# Altium PCB NG2094.PcbDoc (part 1 of 3) (continued)
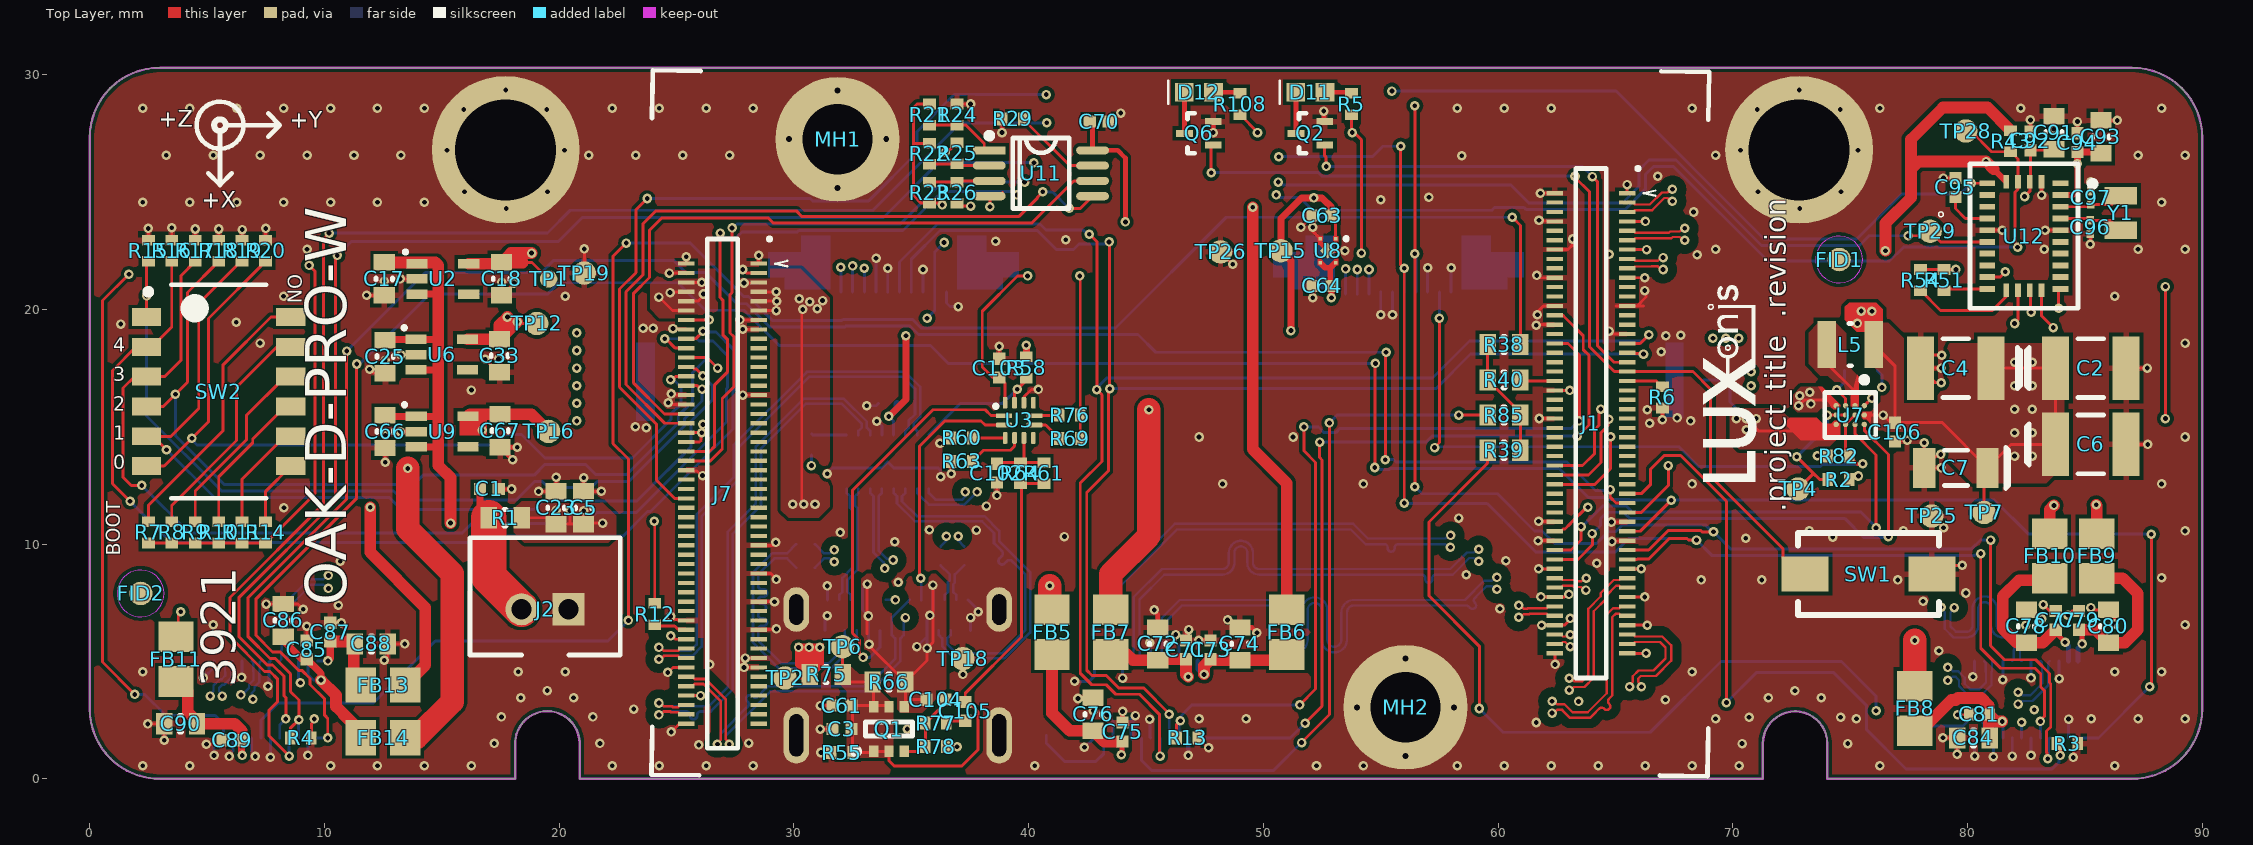
[diagram p0: Top Layer view]
## Classes and differential pairs
net class Poly_Direct: LED_FLD_1 LED_FLD_2 NetL5_2
net class IMU: BNO08x_BOOTN_1V8 BNO08x_CIPO_1V8 BNO08x_COPI_1V8 BNO08x_CS_1V8 BNO08x_INT_1V8 BNO08x_RSTn_1V8 BNO08x_SCK_1V8 BNO08x_WAKE_1V8 ENV_SCL ENV_SDA
net class ConnB: BNO08x_BOOTN_1V8 BNO08x_RSTn_1V8 BNO08x_WAKE_1V8 Boot0 Boot1 Boot2 Boot3 Boot4 GPIO58 I2C0_SCL I2C0_SDA
net class ConnA: 2485_PGOOD 2485_WAKEUP BNO08x_CIPO_1V8 BNO08x_COPI_1V8 BNO08x_CS_1V8 BNO08x_INT_1V8 BNO08x_SCK_1V8 CAM_A_CLK CAM_A_PWDN_N CAM_B_CLK CAM_B_D_PWM CAM_B_PWDN_N COM_AUX_IO2 I2C1_SCL I2C1_SDA I2C2_SCL I2C2_SDA I2C3_SCL I2C3_SDA MX_RST_1V8
differential pair class 90ohm: SSRX1 SSRX1' SSTX1 USB_D
net class USB_SOM: SSRX1_N SSRX1_P SSTX1_N SSTX1_P USB_D_N USB_D_P
component class NG2094_IR_Dot_Projector: J6 J8
component class NG2094_Connector_A: D11 D12 J1 MH1 MH2 Q2 Q6 R5 R6 R108 SW1
net class USB: RXB_N RXB_P RXC_N RXC_P SSRX1_N SSRX1_P SSTX1_N SSTX1_P TXB1_N TXB1_P TXB_N TXB_P TXC1_N TXC1_P TXC_N TXC_P USB_D_N USB_D_P
net class MIPI_CAM_C: MIPI_RX3_C_N MIPI_RX3_C_P MIPI_RX3_D0_N MIPI_RX3_D0_P MIPI_RX3_D1_N MIPI_RX3_D1_P
net class MIPI_CAM_B: MIPI_RX2_C_N MIPI_RX2_C_P MIPI_RX2_D0_N MIPI_RX2_D0_P MIPI_RX2_D1_N MIPI_RX2_D1_P
component class NG2094_IR_Flood: C2 C4 C6 C7 C106 C107 D2 D4 L5 R2 R82 TP4 U7
component class U_NG2094_USB: C3 C61 C62 C98 C99 C100 C101 C102 C103 C104 C105 J10 Q1 R55 R56 R58 R60 R61 R63 R64 R66 R69 R76 R77 R78 TP6 U3 U5
component class U_NG2094_IMU: C91 C92 C93 C94 C95 C96 C97 R43 R51 R54 TP28 TP29 U12 Y1
component class U_NG2094_LEFT_OV9282: C85 C86 C87 C88 C89 C90 FB11 FB13 FB14 J4 R4 R38 R39 R40 R85 TP35
component class U_NG2094_Power_Supply: C C1 C5 C17 C18 C23 C25 C33 C63 C64 C66 C67 J2 R1 R75 TP1 TP7 TP12 TP15 TP16 TP18 TP19 TP25 TP26 U2 U6 U8 U9
component class U_NG2094_EEPROM: C70 R21 R22 R23 R24 R25 R26 R29 U11
differential pair class 100ohm: MIPI_RX2_C MIPI_RX2_D0 MIPI_RX2_D1 MIPI_RX3_C MIPI_RX3_D0 MIPI_RX3_D1 MIPI_RX4_C MIPI_RX4_D0 MIPI_RX4_D1 MIPI_RX5_D0 MIPI_RX5_D1
net class MIPI_CAM_A: MIPI_RX4_C_N MIPI_RX4_C_P MIPI_RX4_D0_N MIPI_RX4_D0_P MIPI_RX4_D1_N MIPI_RX4_D1_P
component class U_NG2094_RIGHT_OV9282: C77 C78 C79 C80 C81 C84 FB8 FB9 FB10 J3 R3 TP39
component class U_NG2094_OV9782: C71 C72 C73 C74 C75 C76 FB5 FB6 FB7 J5 R13 TP3
differential pair class USB3: RXB RXC SSRX1 SSTX1 TXB TXB1 TXC TXC1 USB_D USB_RX USB_TX USB_TX1
net class POWER: 1V2 1V2_C 1V2_L 1V2_R 1V8 1V8_C 1V8_L 1V8_R 2V8 2V8_C 2V8_L 2V8_R 3V3 5V VBUS VBUSIN
component class NG2094_Connector_B: J7 R7 R8 R9 R10 R11 R12 R14 R15 R16 R17 R18 R19 R20 SW2 TP2
component class TopLevel: FID1 FID2 FID3 FID4
differential pair SSTX1: +SSTX1_P -SSTX1_N
differential pair SSRX1: +SSRX1_P -SSRX1_N
differential pair MIPI_RX3_D1: +MIPI_RX3_D1_P -MIPI_RX3_D1_N
differential pair MIPI_RX3_D0: +MIPI_RX3_D0_P -MIPI_RX3_D0_N
differential pair MIPI_RX3_C: +MIPI_RX3_C_P -MIPI_RX3_C_N
differential pair MIPI_RX2_D1: +MIPI_RX2_D1_P -MIPI_RX2_D1_N
differential pair MIPI_RX2_D0: +MIPI_RX2_D0_P -MIPI_RX2_D0_N
differential pair MIPI_RX2_C: +MIPI_RX2_C_P -MIPI_RX2_C_N
differential pair TXC: +TXB_P -TXB_N
differential pair TXC1: +TXB1_P -TXB1_N
differential pair TXB: +TXC_P -TXC_N
differential pair TXB1: +TXC1_P -TXC1_N
differential pair RXC: +RXC_P -RXC_N
differential pair RXB: +RXB_P -RXB_N
differential pair USB_D: +USB_D_P -USB_D_N
differential pair MIPI_RX4_D1: +MIPI_RX4_D1_P -MIPI_RX4_D1_N
differential pair MIPI_RX4_D0: +MIPI_RX4_D0_P -MIPI_RX4_D0_N
differential pair MIPI_RX4_C: +MIPI_RX4_C_P -MIPI_RX4_C_N

## Components (designator, comment, footprint, x,y, rotation, side; value= is the part's Value field where it differs from the comment)
C1 "1uF 0402" CAPC0402(1005)70_L 17.025,12.35 r180 top
C2 "150uF 1206 10V tantal" RESTL1210(3225)_N 85.25,17.5 r0 top
C3 "10uF 0402" CAPC0402(1005)70_L 32.05,2.125 r0 top
C4 "150uF 1206 10V tantal" RESTL1210(3225)_N 79.5,17.5 r180 top
C5 "22uF 0603" CAPC0603(1608)100_L 21.044,11.55 r270 top
C6 "150uF 1206 10V tantal" RESTL1210(3225)_N 85.25,14.25 r0 top
C7 "100uF 1206 6V3 tantal" RESTL1206(3216)_L 79.5,13.25 r180 top
C17 "10uF 0603" CAPC0603(1608)100_L 12.55,21.3 r90 top
C18 "10uF 0603" CAPC0603(1608)100_L 17.55,21.3 r90 top
C23 "22uF 0603" CAPC0603(1608)100_L 19.87,11.547 r270 top
C25 "10uF 0603" CAPC0603(1608)100_L 12.589,17.989 r90 top
C33 "10uF 0603" CAPC0603(1608)100_L 17.464,18.025 r90 top
C61 "10uF 0402" CAPC0402(1005)70_L 32.05,3.125 r0 top
C62 "10uF 0402" CAPC0402(1005)70_L 34,16 r0 bottom
C63 "10uF 0402" CAPC0402(1005)70_L 52.5,24 r0 top
C64 "1uF 0402" CAPC0402(1005)70_L 52.5,21 r0 top
C66 "10uF 0603" CAPC0603(1608)100_L 12.589,14.796 r90 top
C67 "10uF 0603" CAPC0603(1608)100_L 17.487,14.831 r90 top
C70 "0.1uF 0402" CAPC0402(1005)70_L 43,28 r180 top
C71 "0.1uF 0402" CAPC0402(1005)70_L 46.7,5.5 r270 top
C72 "10uF 0603" CAPC0603(1608)100_L 45.5,5.75 r270 top
C73 "0.1uF 0402" CAPC0402(1005)70_L 47.75,5.5 r270 top
C74 "10uF 0603" CAPC0603(1608)100_L 49,5.75 r270 top
C75 "0.1uF 0402" CAPC0402(1005)70_L 44,2 r270 top
C76 "10uF 0603" CAPC0603(1608)100_L 42.75,2.75 r270 top
C77 "0.1uF 0402" CAPC0402(1005)70_L 83.75,6.75 r270 top
C78 "10uF 0603" CAPC0603(1608)100_L 82.5,6.5 r270 top
C79 "0.1uF 0402" CAPC0402(1005)70_L 84.75,6.75 r270 top
C80 "10uF 0603" CAPC0603(1608)100_L 86,6.5 r270 top
C81 "0.1uF 0402" CAPC0402(1005)70_L 80.5,2.75 r0 top
C84 "10uF 0603" CAPC0603(1608)100_L 80.25,1.75 r0 top
C85 "0.1uF 0402" CAPC0402(1005)70_L 9.25,5.5 r270 top
C86 "10uF 0603" CAPC0603(1608)100_L 8.25,6.75 r270 top
C87 "0.1uF 0402" CAPC0402(1005)70_L 10.25,6.25 r270 top
C88 "10uF 0603" CAPC0603(1608)100_L 12,5.75 r180 top
C89 "0.1uF 0402" CAPC0402(1005)70_L 6.075,1.65 r0 top
C90 "10uF 0603" CAPC0603(1608)100_L 3.875,2.35 r0 top
C91 "10uF 0603" CAPC0603(1608)100_L 83.673,27.529 r270 top
C92 "0.1uF 0402" CAPC0402(1005)70_L 82.673,27.179 r270 top
C93 "10uF 0603" CAPC0603(1608)100_L 85.675,27.35 r270 top
C94 "0.1uF 0402" CAPC0402(1005)70_L 84.675,27.1 r270 top
C95 "0.1uF 0402" CAPC0402(1005)70_L 79.48,25.194 r90 top
C96 "18pF 0201" CAPC0201(0603)33_L 85.228,23.51 r90 top
C97 "18pF 0201" CAPC0201(0603)33_L 85.235,24.75 r270 top
C98 "0.1uF 0402" CAPC0402(1005)70_L 37.25,9.5 r90 bottom
C99 "0.1uF 0402" CAPC0402(1005)70_L 36.25,9.5 r90 bottom
C100 "0.1uF 0402" CAPC0402(1005)70_L 30.5,9 r0 bottom
C101 "0.1uF 0402" CAPC0402(1005)70_L 30.5,10 r0 bottom
C102 "1uF 0402" CAPC0402(1005)70_L 38.65,13.025 r90 top
C103 "10uF 0402" CAPC0402(1005)70_L 38.75,17.5 r270 top
C104 "1uF 0402" CAPC0402(1005)70_L 36.05,3.375 r180 top
C105 "0.1uF 0402" CAPC0402(1005)70_L 37.3,2.875 r90 top
C106 "10uF 0402" CAPC0402(1005)70_L 76.9,14.775 r90 top
C107 "10uF 0603" CAPC0603(1608)100_L 75.45,17.4 r0 bottom
D2 "SFH 4726AS" "SFH 4726AS" 68.75,17 r270 bottom
D4 "SFH 4726AS" "SFH 4726AS" 22.5,17 r90 bottom
D11 "ORANGE 0603" SML_D1xx8W 52,29.25 r0 top
D12 "ORANGE 0603" SML_D1xx8W 47.25,29.25 r0 top
FB5 "600R/100MHz" 2508056017Y2 41,6.25 r270 top
FB6 "600R/100MHz" 2508056017Y2 51,6.25 r270 top
FB7 "600R/100MHz" 2508056017Y2 43.5,6.25 r270 top
FB8 "600R/100MHz" 2508056017Y2 77.75,3 r270 top
FB9 "600R/100MHz" 2508056017Y2 85.5,9.5 r270 top
FB10 "600R/100MHz" 2508056017Y2 83.5,9.5 r270 top
FB11 "600R/100MHz" 2508056017Y2 3.675,5.1 r270 top
FB13 "600R/100MHz" 2508056017Y2 12.5,4 r180 top
FB14 "600R/100MHz" 2508056017Y2 12.5,1.75 r180 top
FID1 "FIDUCIAL_ROUND_1MM" FIDUCIAL_ROUND_1MM 74.525,22.125 r90 top
FID2 "FIDUCIAL_ROUND_1MM" FIDUCIAL_ROUND_1MM 2.175,7.9 r90 top
FID3 "FIDUCIAL_ROUND_1MM" FIDUCIAL_ROUND_1MM 64.275,27.525 r90 bottom
FID4 "FIDUCIAL_ROUND_1MM" FIDUCIAL_ROUND_1MM 2.525,7.225 r90 bottom
J1 "SoM-PRO_A Receptacle" CON_A_BW2099_SoM_DF40HC-3.0-100DS-0.4V_minpad 46.455,15.15 r180 top locked
J2 "B2B-PH-K-S(LF)(SN)" B2B-PH-K-S(LF)(SN) 19.4,7.775 r0 top
J3 "BBR43-24KB533" TG161B-201_W 82.5,3.385 r180 bottom locked
J4 "BBR43-24KB533" TG161B-201_W 7.5,3.385 r180 bottom locked
J5 "BBR43-24KB533" TG161B-201_W 45,3.385 r180 bottom locked
J6 "SFV10R-2STE1HLF Top Contact" SFV10R-2STE1HLF 34.258,21.244 r0 bottom locked
J7 "SoM-PRO_B Receptacle" CON_B_BW2099_SoM_DF40HC-3.0-100DS-0.4V_minpad 46.46,15.15 r180 top
J8 "SFV10R-2STE1HLF Top Contact" SFV10R-2STE1HLF 55.759,21.244 r0 bottom locked
J10 "USB3.1 TYPEC 24P SMD RA" 105450-0101 34.425,6.975 r180 bottom
L5 "1uH, 3.2A, 20%" DFE252012P-1R0M=P2 75,18.5 r180 top
MH1 "M2, 3MM steel spacer on M2.5 mounting pad" 9774030243R 31.86,27.25 r90 top
MH2 "M2, 3MM steel spacer on M2.5 mounting pad" 9774030243R 56.055,3.05 r90 top
Q1 "NTJS4151PT1G" ONSC-SC70-6-419B-02_W_V 34.05,2.125 r90 top
Q2 "RE1C002UNTCL" RE1C002UNTCL 52,27.5 r90 top
Q6 "RE1C002UNTCL" RE1C002UNTCL 47.25,27.5 r90 top
R1 "0R 0603" RESC0603(1608)_L 17.7,11.125 r0 top
R2 "10K 0402" RESC0402(1005)_L 74.5,12.75 r0 top
R3 "10K 0402" RESC0402(1005)_L 84.25,1.5 r0 top
R4 "10K 0402" RESC0402(1005)_L 9,1.75 r0 top
R5 "1K 0402" RESC0402(1005)_L 53.75,28.75 r270 top
R6 "1K 0402" RESC0402(1005)_L 67,16.25 r90 top
R7 "1K 0402" RESC0402(1005)_L 2.5,10.5 r270 top
R8 "1K 0402" RESC0402(1005)_L 3.5,10.5 r270 top
R9 "1K 0402" RESC0402(1005)_L 4.5,10.5 r270 top
R10 "1K 0402" RESC0402(1005)_L 5.5,10.5 r270 top
R11 "1K 0402" RESC0402(1005)_L 6.5,10.5 r270 top
R12 "0R 0402" RESC0402(1005)_L 24.075,7.025 r90 top
R13 "10K 0402" RESC0402(1005)_L 46.75,1.75 r0 top
R14 "1K 0402" RESC0402(1005)_L 7.5,10.5 r270 top
R15 "10K 0402" RESC0402(1005)_L 2.5,22.5 r90 top
R16 "10K 0402" RESC0402(1005)_L 3.5,22.5 r90 top
R17 "10K 0402" RESC0402(1005)_L 4.5,22.5 r90 top
R18 "10K 0402" RESC0402(1005)_L 5.5,22.5 r90 top
R19 "10K 0402" RESC0402(1005)_L 6.5,22.5 r90 top
R20 "10K 0402" RESC0402(1005)_L 7.5,22.5 r90 top
R21 "10K 0402" RESC0402(1005)_L 35.775,28.3 r90 top
R22 "10K 0402" RESC0402(1005)_L 35.775,26.625 r90 top
R23 "10K 0402" RESC0402(1005)_L 35.775,24.975 r270 top
R24 "10K 0402" RESC0402(1005)_L 36.95,28.3 r270 top
R25 "10K 0402" RESC0402(1005)_L 36.95,26.65 r270 top
R26 "10K 0402" RESC0402(1005)_L 36.95,24.975 r90 top
R29 "1K 0402" RESC0402(1005)_L 39.315,28.113 r0 top
R38 "0R 0603" RESC0603(1608)_L 60.25,18.5 r0 top
R39 "0R 0603" RESC0603(1608)_L 60.25,14 r180 top
R40 "22R 0603" RESC0603(1608)_L 60.25,17 r0 top
R43 "10K 0402" RESC0402(1005)_L 81.832,27.167 r90 top
R51 "2.2K 0402" RESC0402(1005)_L 79,21.25 r270 top
R54 "2.2K 0402" RESC0402(1005)_L 78,21.25 r270 top
R55 "10K 0402" RESC0402(1005)_L 32.05,1.125 r0 top
R56 "10K 0402" RESC0402(1005)_L 30.75,14.25 r270 bottom
R58 "10K 0402" RESC0402(1005)_L 39.9,17.525 r90 top
R60 "10K 0402" RESC0402(1005)_L 37.15,14.525 r180 top
R61 "1.8MR 0402" RESC0402(1005)_L 40.65,13.025 r90 top
R63 "10K 0402" RESC0402(1005)_L 37.15,13.525 r180 top
R64 "1.8MR 0402" RESC0402(1005)_L 39.65,13.025 r90 top
R66 "0R 0603" RESC0603(1608)_L 34.05,4.125 r180 top
R69 "10K 0402" RESC0402(1005)_L 41.75,14.5 r0 top
R75 "0R 0603" RESC0603(1608)_L 31.375,4.45 r180 top
R76 "10K 0402" RESC0402(1005)_L 41.75,15.5 r0 top
R77 "470R 0402" RESC0402(1005)_L 36.05,2.375 r0 top
R78 "17.8K 0402" RESC0402(1005)_L 36.05,1.375 r180 top
R82 "10K 0402" RESC0402(1005)_L 74.5,13.75 r0 top
R85 "0R 0603" RESC0603(1608)_L 60.25,15.5 r180 top
R108 "1K 0402" RESC0402(1005)_L 49,28.75 r270 top
SW1 "Off-Mom, 50mA" DTSM-32N-V 75.775,8.725 r180 top
SW2 "A6H-6102 DIP SW" A6H-610x 5.5,16.5 r0 top
TP1 "TP075_150_NS" TP075_150_NS 19.55,21.3 r180 top
TP2 "TP100_200_NS" TP100_200_NS 29.625,4.3 r0 top
TP3 "TP100_200_NS" TP100_200_NS 40.75,1.85 r180 bottom
TP4 "TP100_200_NS" TP100_200_NS 72.775,12.35 r90 top
TP6 "TP100_200_NS" TP100_200_NS 32.075,5.625 r0 top
TP7 "TP100_200_NS" TP100_200_NS 80.7,11.35 r0 top
TP12 "TP100_200_NS" TP100_200_NS 19.05,19.4 r180 top
TP15 "TP100_200_NS" TP100_200_NS 50.75,22.5 r90 top
TP16 "TP100_200_NS" TP100_200_NS 19.55,14.8 r180 top
TP18 "TP100_200_NS" TP100_200_NS 37.2,5.125 r90 top
TP19 "TP100_200_NS" TP100_200_NS 21.075,21.55 r90 top
TP25 "TP100_200_NS" TP100_200_NS 78.475,11.2 r90 top
TP26 "TP100_200_NS" TP100_200_NS 48.175,22.45 r90 top
TP28 "TP100_200_NS" TP100_200_NS 79.925,27.6 r90 top
TP29 "TP100_200_NS" TP100_200_NS 78.4,23.325 r90 top
TP35 "TP100_200_NS" TP100_200_NS 3.25,2.7 r90 bottom
TP39 "TP100_200_NS" TP100_200_NS 77.925,1.775 r90 bottom
U2 "TLV70018DCK" TLV70018DCK 15.05,21.3 r270 top
U3 "USB Type-C Port Control" TUSB321RWBR 39.6,15.275 r90 top
U5 "USB Type-C Switch" HD3SS3212RKSR 34,13.5 r270 bottom locked
U6 "TLV70012DCK" TLV70012DCK 15,18.075 r270 top
U7 "LM3644YFFR" LM3644YFFR 75,15.5 r270 top
U8 "TLV70733PDQN" TLV70733PDQN 52.75,22.5 r270 top
U9 "TLV70028DCK" TLV70028DCK 15.014,14.796 r270 top
U11 "24AA32A-I/MS 8-MSOP" 24AA32A-I/MS 40.525,25.8 r0 top
U12 "BNO085" BNO085 82.398,23.124 r0 top
Y1 "ABS06-127-32.768KHZ-T" ABS06-127-32.768KHZ-T 86.523,24.109 r270 top

## Footprints (in the part's own frame and the unit in brackets; to place one, negate y for a bottom-side part, rotate by r counter-clockwise, add the part's x,y. Pads: shape width x height; smd on the part's side, far side on the other; paste and mask are expansions set on the pad)
24AA32A-I/MS [mm] "Body: 3 x 3mm, pitch: 0.65mm"
  rect 1.4x0.35 smd mask+0.05: 1(-2.2,0.975)
  oval 1.4x0.35 smd mask+0.05: 2(-2.2,0.325) 3(-2.2,-0.325) 4(-2.2,-0.975) 5(2.2,-0.975) 6(2.2,-0.325) 7(2.2,0.325) 8(2.2,0.975)
  silkscreen extent -2.32,-1.5 1.2,1.72, body extent -2.45,-1.5 2.45,1.5, height 1.15
105450-0101 [mm] "USB3.1 Type-C Molex SMT, RA, TH"
  rect 0.3x0.7 smd mask+0.05: A1(-3,0.65) A2(-2.5,0.65) A3(-2,0.65) A4(-1.5,0.65) A5(-1,0.65) A6(-0.5,0.65) A7(0.5,0.65) A8(1,0.65) A9(1.5,0.65) A10(2,0.65) A11(2.5,0.65) A12(3,0.65) B2(2.25,-0.65) B3(1.75,-0.65) B4(1.25,-0.65) B5(0.75,-0.65) B6(0.25,-0.65) B7(-0.25,-0.65) B8(-0.75,-0.65) B9(-1.25,-0.65) B10(-1.75,-0.65) B11(-2.25,-0.65)
  rect 1x0.7 smd mask+0.05: B1(3.1,-0.65) B12(-3.1,-0.65)
  oval 1.1x1.9 hole 0.6 slot 1.3 at 90 deg mask+0.05: SH1(-4.32,0.24) SH4(4.32,0.24)
  oval 1.1x2.4 hole 0.6 slot 1.8 at 90 deg mask+0.05: SH2(-4.32,-5.12) SH3(4.32,-5.12)
  Top Layer keep-out region: -3.6,-1.3 3.6,-1.3 3.6,-5.95 -3.6,-5.95
  silkscreen extent -4.5,-3.6 4.5,-1, body extent -4.47,-7.02 4.47,0.88, height 3.2
2508056017Y2 [mm] "2508056017Y2 Chip Inductor, 2-Leads, Body 2.00x1.25mm"
  rect 1.3x1.5 smd: 1(-0.95,0) 2(0.95,0)
  body extent -1.1,-0.72 1.1,0.73, height 1.45
9774030243R [mm] "STANDOFF_M2X0.4_3MM with no pad on bottom of PCB"
  round 5.3 / inner round 2.7 / far side round 2.7 hole 3 mask+0.05: 1(0,0)
  body extent -2.17,-2.17 2.18,2.17, height 3.05
A6H-610x [mm] "DIP Sw, Std/SealTape Body 8.85x4.50mm, Pitch 1.27mm, IPC High Density"
  rect 1.25x0.76 smd: 1(-3.075,3.175) 2(-3.075,1.905) 3(-3.075,0.635) 4(-3.075,-0.635) 5(-3.075,-1.905) 6(-3.075,-3.175) 7(3.075,-3.175) 8(3.075,-1.905) 9(3.075,-0.635) 10(3.075,0.635) 11(3.075,1.905) 12(3.075,3.175)
  silkscreen extent -3.12,-4.55 2.02,4.55, body extent -3.35,-4.42 3.35,4.42, height 1.57
ABS06-127-32.768KHZ-T [mm] "2-SMD 0.079\" L x 0.047\" W (2.00mm x 1.20mm)"
  rect 0.75x1.4 smd: 1(-0.73,0) 2(0.73,0)
  body extent -1,-0.6 1,0.6, height 0.65
B2B-PH-K-S(LF)(SN) [mm] "3.4mm pins, 6mm housing"
  rect 1.368x1.368 hole 0.86: P1(1,-0.55)
  round 1.368 hole 0.86: P2(-1,-0.55)
  silkscreen extent -3.2,-2.5 3.2,2.5, body extent -2.95,-2.25 2.95,2.25, height 6
BNO085 [mm] "28-TFLGA Module (5.2x3.8)"
  rect 0.675x0.25 smd paste+0 mask+0: 1(1.562,2.25) 6(-1.562,2.25) 7(-1.562,1.75) 8(-1.562,1.25) 9(-1.562,0.75) 10(-1.562,0.25) 11(-1.562,-0.25) 12(-1.562,-0.75) 13(-1.562,-1.25) 14(-1.562,-1.75) 15(-1.562,-2.25) 20(1.562,-2.25) 21(1.562,-1.75) 22(1.562,-1.25) 23(1.562,-0.75) 24(1.562,-0.25) 25(1.562,0.25) 26(1.562,0.75) 27(1.562,1.25) 28(1.562,1.75)
  rect 0.25x0.575 smd paste+0 mask+0: 2(0.75,2.312) 3(0.25,2.312) 4(-0.25,2.312) 5(-0.75,2.312) 16(-0.75,-2.312) 17(-0.25,-2.312) 18(0.25,-2.312) 19(0.75,-2.312)
  silkscreen extent -2.3,-3.08 3.05,3.08, body extent -2.45,-3.15 2.45,3.15, height 0.25
CAPC0201(0603)33_L [mm] "Chip Capacitor, Body 0.6x0.3mm, Height 0.33mm, IPC High Density"
  rect 0.36x0.32 smd: 1(-0.28,0) 2(0.28,0)
  body extent -0.32,-0.17 0.32,0.17, height 0.33
CAPC0402(1005)70_L [mm] "Chip Capacitor, Body 1.0x0.5mm, Height 0.7mm, IPC High Density"
  rect 0.52x0.52 smd: 1(-0.4,0) 2(0.4,0)
  body extent -0.55,-0.3 0.55,0.3, height 0.7
CAPC0603(1608)100_L [mm] "Chip Capacitor, Body 1.6x0.8mm, Height 1.0mm, IPC High Density"
  rect 0.7x0.9 smd: 1(-0.7,0) 2(0.7,0)
  silkscreen extent -0.05,-0.35 0.05,0.35, body extent -0.87,-0.47 0.88,0.48, height 1
CON_A_BW2099_SoM_DF40HC-3.0-100DS-0.4V_minpad [mm] "3.0MM MATED HEIGHT CONN HDR 100POS 0.4MM SMD GOLD"
  rect 0.7x0.18 smd: 1(-19.04,-9.8) 2(-15.96,-9.8) 3(-19.04,-9.4) 4(-15.96,-9.4) 5(-19.04,-9) 6(-15.96,-9) 7(-19.04,-8.6) 8(-15.96,-8.6) 9(-19.04,-8.2) 10(-15.96,-8.2) 11(-19.04,-7.8) 12(-15.96,-7.8) 13(-19.04,-7.4) 14(-15.96,-7.4) 15(-19.04,-7) 16(-15.96,-7) 17(-19.04,-6.6) 18(-15.96,-6.6) 19(-19.04,-6.2) 20(-15.96,-6.2) 21(-19.04,-5.8) 22(-15.96,-5.8) 23(-19.04,-5.4) 24(-15.96,-5.4) 25(-19.04,-5) 26(-15.96,-5) 27(-19.04,-4.6) 28(-15.96,-4.6) 29(-19.04,-4.2) 30(-15.96,-4.2) 31(-19.04,-3.8) 32(-15.96,-3.8) 33(-19.04,-3.4) 34(-15.96,-3.4) 35(-19.04,-3) 36(-15.96,-3) 37(-19.04,-2.6) 38(-15.96,-2.6) 39(-19.04,-2.2) 40(-15.96,-2.2) 41(-19.04,-1.8) 42(-15.96,-1.8) 43(-19.04,-1.4) 44(-15.96,-1.4) 45(-19.04,-1) 46(-15.96,-1) 47(-19.04,-0.6) 48(-15.96,-0.6) 49(-19.04,-0.2) 50(-15.96,-0.2) 51(-19.04,0.2) 52(-15.96,0.2) 53(-19.04,0.6) 54(-15.96,0.6) 55(-19.04,1) 56(-15.96,1) 57(-19.04,1.4) 58(-15.96,1.4) 59(-19.04,1.8) 60(-15.96,1.8) 61(-19.04,2.2) 62(-15.96,2.2) 63(-19.04,2.6) 64(-15.96,2.6) 65(-19.04,3) 66(-15.96,3) 67(-19.04,3.4) 68(-15.96,3.4) 69(-19.04,3.8) 70(-15.96,3.8) 71(-19.04,4.2) 72(-15.96,4.2) 73(-19.04,4.6) 74(-15.96,4.6) 75(-19.04,5) 76(-15.96,5) 77(-19.04,5.4) 78(-15.96,5.4) 79(-19.04,5.8) 80(-15.96,5.8) 81(-19.04,6.2) 82(-15.96,6.2) 83(-19.04,6.6) 84(-15.96,6.6) 85(-19.04,7) 86(-15.96,7) 87(-19.04,7.4) 88(-15.96,7.4) 89(-19.04,7.8) 90(-15.96,7.8) 91(-19.04,8.2) 92(-15.96,8.2) 93(-19.04,8.6) 94(-15.96,8.6) 95(-19.04,9) 96(-15.96,9) 97(-19.04,9.4) 98(-15.96,9.4) 99(-19.04,9.8) 100(-15.96,9.8)
  silkscreen extent -22.53,-15 -16.85,15.03, body extent -19.19,-11.3 -15.81,11.3, height 2.85
CON_B_BW2099_SoM_DF40HC-3.0-100DS-0.4V_minpad [mm] "3.0MM MATED HEIGHT CONN HDR 100POS 0.4MM SMD GOLD"
  rect 0.7x0.18 smd: 1(17.96,-6.8) 2(21.04,-6.8) 3(17.96,-6.4) 4(21.04,-6.4) 5(17.96,-6) 6(21.04,-6) 7(17.96,-5.6) 8(21.04,-5.6) 9(17.96,-5.2) 10(21.04,-5.2) 11(17.96,-4.8) 12(21.04,-4.8) 13(17.96,-4.4) 14(21.04,-4.4) 15(17.96,-4) 16(21.04,-4) 17(17.96,-3.6) 18(21.04,-3.6) 19(17.96,-3.2) 20(21.04,-3.2) 21(17.96,-2.8) 22(21.04,-2.8) 23(17.96,-2.4) 24(21.04,-2.4) 25(17.96,-2) 26(21.04,-2) 27(17.96,-1.6) 28(21.04,-1.6) 29(17.96,-1.2) 30(21.04,-1.2) 31(17.96,-0.8) 32(21.04,-0.8) 33(17.96,-0.4) 34(21.04,-0.4) 35(17.96,0) 36(21.04,0) 37(17.96,0.4) 38(21.04,0.4) 39(17.96,0.8) 40(21.04,0.8) 41(17.96,1.2) 42(21.04,1.2) 43(17.96,1.6) 44(21.04,1.6) 45(17.96,2) 46(21.04,2) 47(17.96,2.4) 48(21.04,2.4) 49(17.96,2.8) 50(21.04,2.8) 51(17.96,3.2) 52(21.04,3.2) 53(17.96,3.6) 54(21.04,3.6) 55(17.96,4) 56(21.04,4) 57(17.96,4.4) 58(21.04,4.4) 59(17.96,4.8) 60(21.04,4.8) 61(17.96,5.2) 62(21.04,5.2) 63(17.96,5.6) 64(21.04,5.6) 65(17.96,6) 66(21.04,6) 67(17.96,6.4) 68(21.04,6.4) 69(17.96,6.8) 70(21.04,6.8) 71(17.96,7.2) 72(21.04,7.2) 73(17.96,7.6) 74(21.04,7.6) 75(17.96,8) 76(21.04,8) 77(17.96,8.4) 78(21.04,8.4) 79(17.96,8.8) 80(21.04,8.8) 81(17.96,9.2) 82(21.04,9.2) 83(17.96,9.6) 84(21.04,9.6) 85(17.96,10) 86(21.04,10) 87(17.96,10.4) 88(21.04,10.4) 89(17.96,10.8) 90(21.04,10.8) 91(17.96,11.2) 92(21.04,11.2) 93(17.96,11.6) 94(21.04,11.6) 95(17.96,12) 96(21.04,12) 97(17.96,12.4) 98(21.04,12.4) 99(17.96,12.8) 100(21.04,12.8)
  silkscreen extent 16.75,-15.04 22.53,15, body extent 17.81,-8.3 21.19,14.3, height 2.85
DFE252012P-1R0M=P2 [mm] "Chip Inductor, 2-Leads, Body 2.40x2.00mm, IPC High Density"
  rect 0.8x2 smd: 1(-1,0) 2(1,0)
  silkscreen extent -0.05,-0.9 0.05,0.9, body extent -1.25,-1.1 1.25,1.1, height 1.2
DTSM-32N-V [mm] "tactile button 160gf"
  rect 2x1.5 smd: 1(-2.7,0) 2(2.7,0)
  silkscreen extent -3.01,-1.76 3,1.75, body extent -3.65,-1.75 3.65,1.75, height 5
FIDUCIAL_ROUND_1MM [mm] "Round, 1mm dia"
  round 1 smd paste-1 mask+0.5: 1(0,0)
  Top Layer keep-out circle w0.025: c0,0 r1
HD3SS3212RKSR [mm] "VQFN-20"
  rrect20% 0.25x0.6 smd mask+0.07: 1(-0.25,2.15) 10(-0.25,-2.15) 11(0.25,-2.15) 20(0.25,2.15)
  rrect20% 0.6x0.25 smd mask+0.07: 2(-1.15,1.75) 3(-1.15,1.25) 4(-1.15,0.75) 5(-1.15,0.25) 6(-1.15,-0.25) 7(-1.15,-0.75) 8(-1.15,-1.25) 9(-1.15,-1.75) 12(1.15,-1.75) 13(1.15,-1.25) 14(1.15,-0.75) 15(1.15,-0.25) 16(1.15,0.25) 17(1.15,0.75) 18(1.15,1.25) 19(1.15,1.75)
  rrect10% 1x3 smd paste-3 mask+0.07: 21(0,0)
  silkscreen extent -1.25,-2.25 1.25,2.53, body extent -1.25,-2.25 1.25,2.25, height 1
LM3644YFFR [mm] "DSBGA 12 (pitch 0.4mm)"
  round 0.23 smd paste-1000 mask-1000: A1(-0.4,0.6) A2(0,0.6) A3(0.4,0.6) B1(-0.4,0.2) B2(0,0.2) B3(0.4,0.2) C1(-0.4,-0.2) C2(0,-0.2) C3(0.4,-0.2) D1(-0.4,-0.6) D2(0,-0.6) D3(0.4,-0.6)
  silkscreen extent -1.62,-1.09 0.96,1.09, body extent -0.69,-0.82 0.69,0.82, height 0.63
ONSC-SC70-6-419B-02_W_V [mm] "SOT23, 6-Leads, Body 2x1.25mm, Pitch 0.65mm"
  rect 0.5x0.4 smd: 1(-0.95,0.65) 2(-0.95,0) 3(-0.95,-0.65) 4(0.95,-0.65) 5(0.95,0) 6(0.95,0.65)
  silkscreen extent -1.07,-1 0.3,1.52, body extent -1.05,-1 1.05,1, height 1.08
RE1C002UNTCL [mm] "ROHM SOT-416FL"
  rect 0.3x0.71 smd: 1(-0.5,-0.61) 2(0.5,-0.61) 3(0,0.61)
  silkscreen extent -0.85,0.18 0.85,0.48, body extent -0.95,-1.06 0.95,1.06, height 0.25
RESC0402(1005)_L [mm] "Chip Resistor, Body 1.0x0.5mm, IPC High Density"
  rect 0.45x0.55 smd: 1(-0.45,0) 2(0.45,0)
  body extent -0.52,-0.27 0.53,0.28, height 0.4
RESC0603(1608)_L [mm] "Chip Resistor, Body 1.6x0.8mm, IPC High Density"
  rect 0.7x0.9 smd: 1(-0.7,0) 2(0.7,0)
  silkscreen extent -0.05,-0.35 0.05,0.35, body extent -0.85,-0.47 0.85,0.47, height 0.6
RESTL1206(3216)_L [mm] "Chip Resistor, Body 3.2x1.6mm, IPC High Density"
  rect 0.95x1.7 smd: 1(-1.35,0) 2(1.35,0)
  silkscreen extent -2.25,-0.88 0.5,0.88, body extent -1.67,-0.87 1.67,0.87, height 1.8
RESTL1210(3225)_N [mm] "Chip Resistor, Body 3.2x2.5mm, IPC Medium Density"
  rect 1.15x2.7 smd: 1(-1.5,0) 2(1.5,0)
  silkscreen extent -2.75,-1.25 0.55,1.25, body extent -1.7,-1.35 1.7,1.35, height 0.71
"SFH 4726AS" [mm] "OSLON Black Series (940 nm) - 150°"
  rect 2.8x0.55 smd: 1(0,-1.125) 2(0,1.125)
  rect 2.8x1 smd paste-1: 1(0,0)
  silkscreen extent -2.15,-2.15 2.15,2.15, body extent -1.88,-1.88 1.88,1.88, height 1.55
SFV10R-2STE1HLF [mm] "CONN FFC TOP 10POS 0.50MM R/A"
  rect 0.305x1.405 smd: 1(-2.258,0.494) 1(-2.258,0.494) 2(-1.759,0.494) 3(-1.258,0.494) 4(-0.758,0.494) 5(-0.258,0.494) 6(0.242,0.494) 7(0.741,0.494) 8(1.242,0.494) 9(1.742,0.494) 10(2.242,0.494)
  rect 1x1 smd: 11(-3.707,-0.486) 12(3.708,-0.494)
  Top Layer region: -3.958,0.394 -2.708,0.394 -2.708,-1.906 -3.958,-1.906
  Top Layer region: -5.358,-0.105 -2.708,-0.105 -2.708,-1.205 -5.358,-1.205
  Top Layer region: -4.658,0.394 -2.708,0.394 -2.708,-1.206 -4.658,-1.206
  Top Layer region: 4.641,-1.205 2.691,-1.205 2.691,0.395 4.641,0.395
  Top Layer region: 5.341,-1.205 2.691,-1.205 2.691,-0.105 5.341,-0.105
  Top Layer region: 3.941,-1.906 2.691,-1.906 2.691,0.394 3.941,0.394
  Top Layer keep-out region: 5.594,-5.708 5.594,-3.973 -5.611,-3.973 -5.611,-5.708
  body extent -5.26,-4.01 5.24,0.89, height 1.82
SML_D1xx8W [mm] "Rohm LED SML_D1 series - Chip Diode, 2-Leads, Body 1.60x0.80mm, IPC High Density"
  rect 0.8x0.8 smd: 1(-0.625,0) 2(0.625,0)
  silkscreen extent -1.3,-0.5 -1.3,0.5, body extent -0.8,-0.4 0.8,0.4, height 0.6
TG161B-201_W [mm]
  rect 0.23x0.92 smd mask+0.05: 1(-2.2,1.64) 2(-1.8,1.64) 3(-1.4,1.64) 4(-1,1.64) 5(-0.6,1.64) 6(-0.2,1.64) 7(0.2,1.64) 8(0.6,1.64) 9(1,1.64) 10(1.4,1.64) 11(1.8,1.64) 12(2.2,1.64) 13(2.2,-1.64) 14(1.8,-1.64) 15(1.4,-1.64) 16(1,-1.64) 17(0.6,-1.64) 18(0.2,-1.64) 19(-0.2,-1.64) 20(-0.6,-1.64) 21(-1,-1.64) 22(-1.4,-1.64) 23(-1.8,-1.64) 24(-2.2,-1.64)
  Top Layer keep-out region: -4.25,25.75 4.25,25.75 4.25,17.25 -4.25,17.25
  Top Layer keep-out region: -4.25,17.25 4.25,17.25 4.25,2.465 -4.25,2.465
  silkscreen extent -5.25,-2.25 5.25,25.75, body extent -5.25,-2.25 5.25,26, height 7.2
TLV70012DCK [mm] "SC70-5 1.1mm"
  rect 0.4x0.9 smd paste-0.025 mask+0.05: 1(-0.65,-1.1) 2(0,-1.1) 3(0.65,-1.1) 4(0.65,1.1) 5(-0.65,1.1)
  silkscreen extent -1.17,-1.63 -1.12,-1.57, body extent -1.1,-1.2 1.1,1.2, height 1.1
TLV70018DCK [mm] "SC70-5 1.1mm"
  rect 0.4x0.9 smd paste-0.025 mask+0.05: 1(-0.65,-1.1) 2(0,-1.1) 3(0.65,-1.1) 4(0.65,1.1) 5(-0.65,1.1)
  silkscreen extent -1.17,-1.63 -1.12,-1.57, body extent -1.1,-1.2 1.1,1.2, height 1.1
TLV70028DCK [mm] "SC70-5 1.1mm"
  rect 0.4x0.9 smd paste-0.025 mask+0.05: 1(-0.65,-1.1) 2(0,-1.1) 3(0.65,-1.1) 4(0.65,1.1) 5(-0.65,1.1)
  silkscreen extent -1.17,-1.63 -1.12,-1.57, body extent -1.1,-1.2 1.1,1.2, height 1.1
TLV70733PDQN [mm] "DFN, 4-Leads, Body 1.00x1.00mm, Pitch 0.65mm, IPC High Density"
  rect 0.15x0.15 smd mask+0: 1(-0.51,0.33) 2(-0.51,-0.33) 3(0.51,-0.33)
  rect 0.15x0.15 smd paste+0 mask+0: 4(0.51,0.33)
  rect 0.48x0.48 smd rot 45 mask+0.05: 5(0,0)
  Top Layer region: -0.25,-0.43 -0.61,-0.43 -0.61,-0.22 -0.43,-0.22 -0.25,-0.4
  Top Layer region: 0.25,-0.43 0.61,-0.43 0.61,-0.22 0.43,-0.22 0.25,-0.4
  Top Layer region: 0.25,0.43 0.61,0.43 0.61,0.22 0.43,0.22 0.25,0.4
  Top Layer region: -0.25,0.43 -0.61,0.43 -0.61,0.22 -0.43,0.22 -0.25,0.4
  silkscreen extent -0.54,0.75 -0.48,0.8, body extent -0.5,-0.5 0.5,0.5, height 0.34
TP075_150_NS [mm] "0.75mm dia pad, 1.5mm dia clearance, no silk screen"
  round 0.75 smd paste-2: 1(0,0)
TP100_200_NS [mm] "1mm dia pad, 2mm dia clearance, no silk screen"
  round 1 smd paste-2: 1(0,0)
TUSB321RWBR [mm] "X2QFN-12 1.6x1.6"
  rrect50% 0.2x0.7 smd mask+0.05: 1(0.2,0.65) 2(-0.2,0.65) 7(-0.2,-0.65) 8(0.2,-0.65)
  rrect50% 0.5x0.2 smd mask+0.05: 3(-0.75,0.6) 4(-0.75,0.2) 5(-0.75,-0.2) 6(-0.75,-0.6) 9(0.75,-0.6) 10(0.75,-0.2) 11(0.75,0.2) 12(0.75,0.6)
  silkscreen extent 0.57,0.97 0.63,1.03, body extent -0.8,-0.8 0.8,0.8, height 0.4

## Part data
C1: library part GRM155R61E105KA12D, "CAP CER 1UF 25V X5R 0402 10%", Capacitance=1uF, Case/Package=0402, Case Code (Metric)=1005, Dielectric=X5R, Manufacturer 1=Murata, Max Operating Temperature=85°C, Min Operating Temperature=-55°C, Package Quantity=10000, Supplier Part Number 1=490-10017-1-ND, Tolerance=10%, Voltage=25V, Case Code (Imperial)=0402, ComponentLink1Description=https://datasheet.ciiva.com/22732/1666664-22732122.pdf?src-supplier=Element14, ComponentLink1URL=https://datasheet.ciiva.com/22732/1666664-22732122.pdf?src-supplier=Element14, ComponentLink2Description=https://datasheet.ciiva.com/7719/1666664-7719006.pdf?src-supplier=Element14, ComponentLink2URL=https://datasheet.ciiva.com/7719/1666664-7719006.pdf?src-supplier=Element14, Depth=0.5mm, Height=0.5mm, Lead Free="Lead Free", Length=1mm, Manufacturer Part Number 1=GRM155R61E105KA12D, Material=Ceramic, Mount="Surface Mount", Packaging="Tape and Reel", Pricing 1="1=0.10000, 10=0.07100, 100=0.03350, 500=0.02352, 1000=0.01947, 2500=0.01812, 5000=0.01658 (USD)", REACH SVHC="No SVHC", RoHS=Yes, Stock 1=200653, Supplier 1=Digi-Key, Supplier 2=Arrow, Supplier 3=TTI, Supplier Part Number 2=GRM155R61E105KA12D, Supplier Part Number 3=GRM155R61E105KA12D, Termination=SMD/SMT, Thickness=0.022inch, Voltage Rating=25V, Voltage Rating (DC)=25V, Weight=0.000212oz, Width=0.5mm
C2 C4 C6: library part TLJB157M010R0500, "Tantalum Capacitor, Polarized, Tantalum (dry/solid), 10V, 20% +Tol, 20% -Tol, 150uF, Surface Mount, 1210", Capacitance=150uF, Capacitor Type=Tantalum, ESR (Equivalent Series Resistance)=500mR, Leakage Current=15uA, Manufacturer 1="Kyocera AVX", Max Operating Temperature=125°C, Min Operating Temperature=-55°C, Negative Tolerance=20%, Package Shape=Rectangular, Package Style=SMTMeter, Rated DC Voltage (URdc)=10V, Ripple Current=371mA, Supplier Part Number 1=478-3349-1-ND, Category="Tantalum Capacitors", ComponentLink1Description=https://datasheet.ciiva.com:443/pdfs/VipMasterIC/IC/AVXC/AVXC-S-A0008508048/AVXC-S-A0008508048-1.pdf?src-supplier=IHS+Markit, ComponentLink1URL=https://datasheet.ciiva.com:443/pdfs/VipMasterIC/IC/AVXC/AVXC-S-A0008508048/AVXC-S-A0008508048-1.pdf?src-supplier=IHS+Markit, ComponentLink2Description=https://datasheet.ciiva.com/264/tlj-264786.pdf?src-supplier=Digi-Key, ComponentLink2URL=https://datasheet.ciiva.com/264/tlj-264786.pdf?src-supplier=Digi-Key, ComponentLink3Description=https://datasheet.ciiva.com/264/tlj-264787.pdf?src-supplier=Digi-Key, ComponentLink3URL=https://datasheet.ciiva.com/264/tlj-264787.pdf?src-supplier=Digi-Key, ComponentLink4Description=https://datasheet.ciiva.com/264/tlj-264788.pdf?src-supplier=Digi-Key, ComponentLink4URL=https://datasheet.ciiva.com/264/tlj-264788.pdf?src-supplier=Digi-Key, ComponentLink5Description=https://datasheet.ciiva.com/46385/1910903-46385237.pdf?src-supplier=Element14, ComponentLink5URL=https://datasheet.ciiva.com/46385/1910903-46385237.pdf?src-supplier=Element14, ComponentLink6Description=https://datasheet.ciiva.com/28515/tlj-28515528.pdf?src-supplier=Element14, ComponentLink6URL=https://datasheet.ciiva.com/28515/tlj-28515528.pdf?src-supplier=Element14, ComponentLink7Description=https://datasheet.ciiva.com/7773/1533257-7773833.pdf?src-supplier=Element14, ComponentLink7URL=https://datasheet.ciiva.com/7773/1533257-7773833.pdf?src-supplier=Element14, ComponentLink8Description=https://datasheet.ciiva.com/14593/70001364-14593673.pdf?src-supplier=Allied+Electronics, ComponentLink8URL=https://datasheet.ciiva.com/14593/70001364-14593673.pdf?src-supplier=Allied+Electronics, ComponentLink9Description=https://datasheet.ciiva.com/14606/70001364-14606409.pdf?src-supplier=Allied+Electronics, ComponentLink9URL=https://datasheet.ciiva.com/14606/70001364-14606409.pdf?src-supplier=Allied+Electronics, ComponentLink10Description=https://datasheet.ciiva.com/7773/1533257-7773834.pdf?src-supplier=Element14, ComponentLink10URL=https://datasheet.ciiva.com/7773/1533257-7773834.pdf?src-supplier=Element14, ComponentLink11Description=https://datasheet.ciiva.com/11229/tlj-11229389.pdf?src-supplier=Avnet, ComponentLink11URL=https://datasheet.ciiva.com/11229/tlj-11229389.pdf?src-supplier=Avnet, ComponentLink12Description=https://datasheet.ciiva.com/17339/tlj-17339422.pdf?src-supplier=Avnet+Europe, ComponentLink12URL=https://datasheet.ciiva.com/17339/tlj-17339422.pdf?src-supplier=Avnet+Europe, Dielectric Material=Tantalum, Height=1.9mm, JESD-609 Code=e3, Length=3.5mm, Manufacturer Part Number 1=TLJB157M010R0500, Mount="Surface Mount", Number of Pins=2, Packaging="Tape and Reel", Polarity=Polarized, Positive Tolerance=20%, Pricing 1="1=0,74000, 10=0,54700, 50=0,43800, 100=0,37540, 500=0,29716, 1000=0,25024 (USD)", REACH SVHC=Yes, RoHS=Yes, RoHS Compliant=Yes, Size Code=1411, Stock 1=10000, Supplier 1=Digi-Key, Terminal Finish=Nickel, Termination="J BEND", Width=2.8mm